# Altium PCB CarrierMotherboard.PcbDoc (part 4 of 6)
Units mm, origin at the board's own origin, x right, y up, seen from the top; angles counter-clockwise.
Board outline 152.4 x 101.6 mm, 8 copper layers (L1-CU, GND, L3-CU-PWR, L4-CU, L5-CU-GND, L6-CU, L7-CU-GND, L8-CU), stack 1.524 mm thick; 270 components, 270 nets, 1285 pads, 799 vias.
Unrouted connection lines stored in the file: 236.
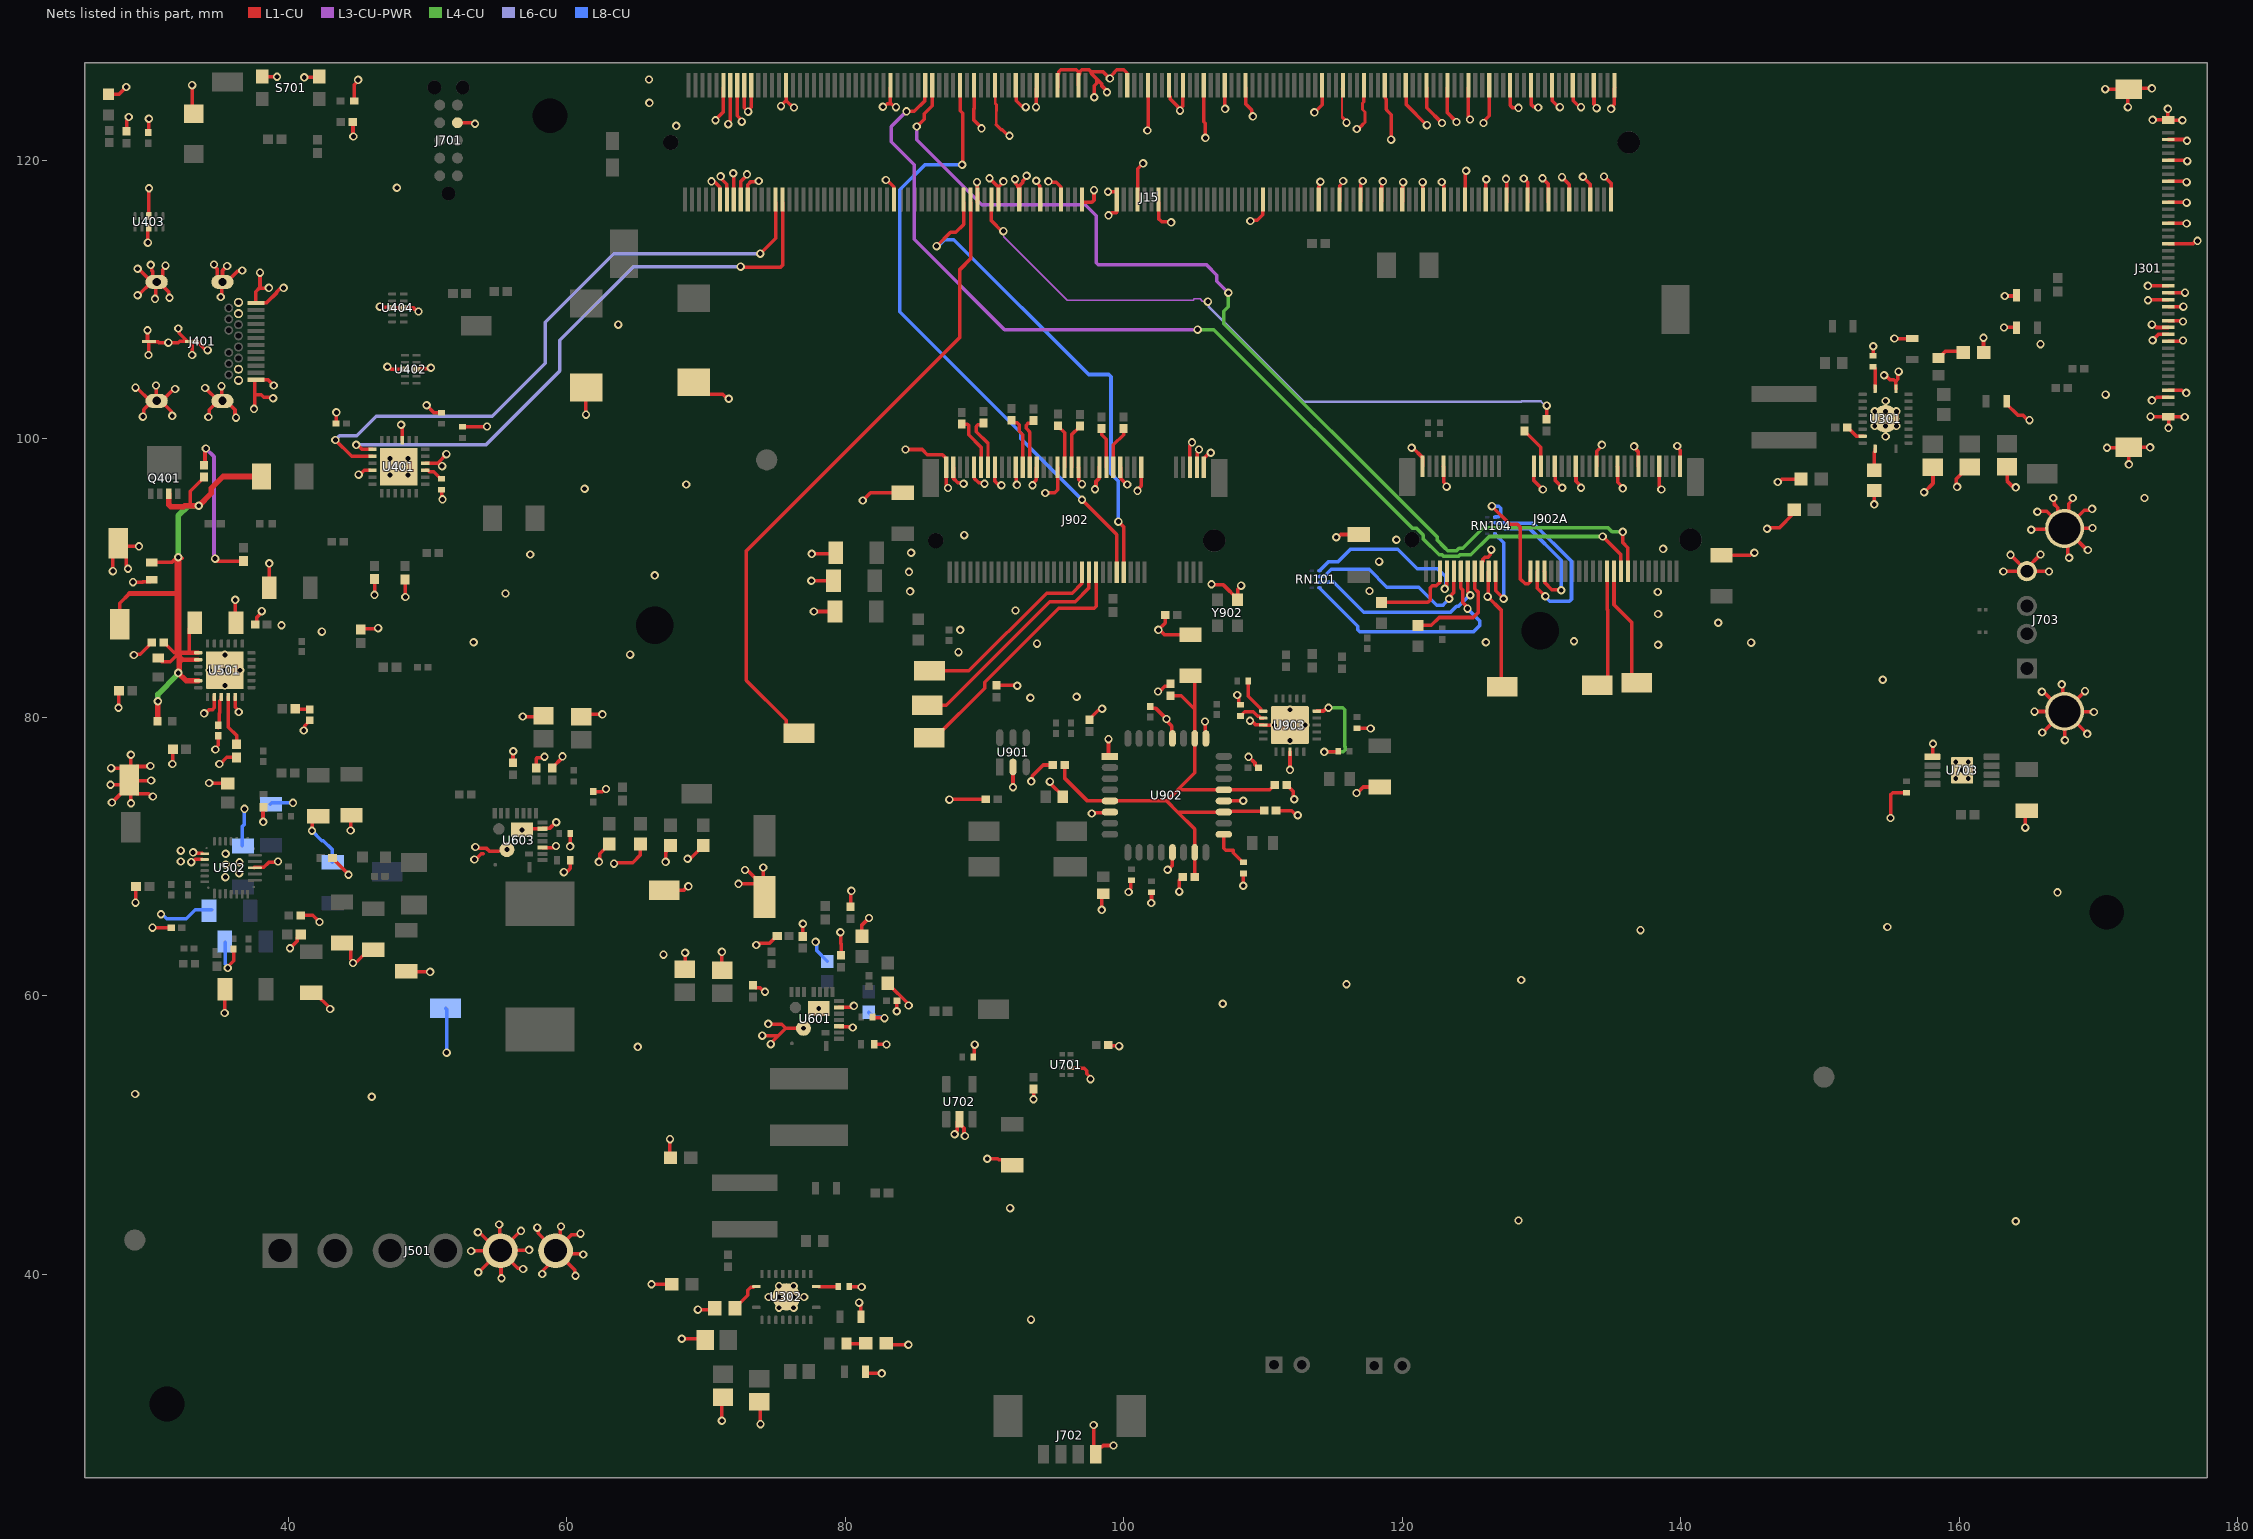
[diagram p10: the nets of this part, all layers, seen from the top]

## Via types
v1: diameter 0.6, hole 0.35, L1-CU to L8-CU, 799 vias

## Nets (pads, with @x,y where several pads share a name; then routed paths per layer and width w, separated by ;. In a path a pad name is that pad's centre, name@x,y a point inside that pad or via, vN(x,y) a via of type N, cw(c..) or ccw(c..) an arc to the next point about the centre after c; other vN are vias at no path point) (continued)
GND: C1.2 C2.2 C101.1 C104.2 C105.2 C114.2 C115.2 C116.2 C117.2 C301.2 C302.2 C304.2 C305.1 C306.2 C307.2 C308.2 C309.2 C310.2 C311.2 C313.2 C314.1 C315.2 C316.2 C317.2 C318.2 C401.2 C402.2 C403.2 C405.2 C406.2 C501.2 C502.2 C503.2 C504.2 C505.2 C506.1 C507.2 C508.1 C509.2 C510.2 C513.1 C514.2 C515.2 C516.2 C517.2 C518.2 C519.2 C520.2 C521.2 C522.2 C523.2 C524.2 C525.2 C601.2 C602.2 C603.2 C604.2 C605.2 C606.2 C608.2 C609.2 C610.2 C611.2 C616.2 C618.2 C619.2 C620.2 C621.2 C626.2 C628.2 C630.2 C632.2 C633.1 C703.2 C706.1 C707.1 C708.2 C709.2 C710.2 C711.2 C901.2 C902.2 C903.2 C904.2 C905.2 C906.2 C907.2 C908.2 C909.2 C910.2 C913.1 C914.1@95.615,74.286 C915.2 C916.2 C918.2 C919.2 C920.2 D401.2 D402.2 D403.1 D701.2 J15.1 J15.2 J15.7 J15.8 J15.13 J15.14 J15.19 J15.20 J15.25 J15.26 J15.31 J15.32 J15.37 J15.38 J15.43 J15.44 J15.49 J15.50 J15.55 J15.56 J15.61 J15.62 J15.67 J15.68 J15.73 J15.74 J15.79 J15.80 J15.85 J15.86 J15.102 J15.107 J15.113 J15.119 J15.125 J15.129 J15.132 J15.135 J15.138 J15.141 J15.144 J15.146 J15.147 J15.152 J15.153 J15.158 J15.159 J15.164 J15.165 J15.170 J15.171 J15.176 J15.177 J15.200 J15.201 J15.231 J15.241 J15.242 J15.243 J15.244 J15.245 J15.246 J15.247 J15.248 J15.249 J15.250 J301.2 J301.5 J301.8 J301.11 J301.14 J301.17 J301.23 J301.24 J301.25 J301.26 J301.28 J301.29 J301.30 J301.31 J301.38 J301.39 J301.S1 J301.S2 J301.S3 J301.S4 J401.A1 J401.A12 J401.B1 J401.B12 J401.Shell J501.5 J501.6 J701.4 J702.1 J703.4 J703.5 J703.6 J902.1 J902.3 J902.9 J902.15 J902.21 J902.27 J902.33 J902.39 J902.45 J902.51 J902.57 J902.71 J902.73 J902.75 J902A.1 J902A.7 J902A.18 J902A.33 J902A.39 J902A.45 J902A.51 J902A.57 J902A.63 J902A.69 J902A.75 R304.1 R306.2 R313.1 R314.1 R316.2 R318.2 R401.1 R404.2 R407.2 R501.1 R502.1 R511.1 R512.2 R515.2 R522.2 R523.2 R602.1 R603.1 R604.1 R607.1 R608.1 R610.1 R618.1 R904.1 R905.1 S701.3 S701.4 TP9.TP9 TP501.1 TP503.1 TP505.1 U301.20 U301.21 U302.21 U401.3 U401.10 U401.22 U401.25 U402.3 U402.8 U403.3 U403.8 U404.3 U404.8 U501.8 U501.11 U501.25 U502.10 U502.11 U502.27 U601.3-4-27 U601.13 U601.16 U601.25 U603.3-4-27 U603.13 U603.16 U603.25 U701.2 U702.2 U703.1 U703.9 U901.2 U902.1 U902.6 U902.13 U902.20 U902.25 U902.28 U903.3 U903.8 U903.21 Y902.2 | length 626.1
  L1-CU w0.15: J15.79@115.675,125.125 115.675,123.106 115.721,123.06
  L1-CU w0.2: J15.171@90.773,125.177 90.773,124.076 90.854,123.995 90.854,123.554 90.853,123.553 90.853,122.558 ; J15.79@115.675,125.125 J15.79@115.75,125.2 ; 117.169,122.579 117.323,122.733 117.323,123.479 117.146,123.655 117.146,124.096 117.25,124.2
  L1-CU w0.254: D403.1@27.1,124.75 27.849,124.75 v1(28.372,125.273) ; v1(27.233,75.159) 28.212,75.159 TP503.1@28.553,75.5 ; v1(27.284,76.352) 27.98,76.352 TP503.1@28.553,75.779 ; v1(27.334,73.889) 27.342,73.889 TP503.1@28.553,75.1 ; v1(27.407,90.5) 27.407,92.107 TP501.1@27.8,92.5 ; v1(27.813,80.696) 27.828,80.711 27.828,81.885 R501.1@27.843,81.9 ; C405.2@28.389,122.092 28.389,122.859 28.55,123.02 v1(28.55,123.114) ; v1(28.499,90.678) 28.499,90.772 28.373,90.897 28.373,91.927 TP501.1@27.8,92.5 ; TP503.1@28.702,75.779 v1(28.702,77.318) ; v1(28.706,73.838) 28.706,74.947 29.126,74.527 29.981,74.527 30.187,74.32 v1(30.281,74.32) ; v1(28.854,89.713) 29.535,89.713 29.55,89.727 30.052,89.727 D401.2@30.2,89.875 ; v1(28.914,84.48) 28.98,84.547 29.377,84.547 30.192,85.361 C502.2@30.213,85.361 ; v1(29.032,103.683) 29.126,103.683 30.079,102.73 J401.Shell@30.55,102.73 ; v1@29.036,66.701 R515.2@29.036,67.859 ; v1(29.185,110.312) 29.238,110.312 30.196,111.27 J401.Shell@30.55,111.27 ; v1(29.185,112.217) 29.244,112.217 30.157,111.304 J401.Shell@30.157,111.27 ; v1(29.286,92.278) 28.022,92.278 TP501.1@27.8,92.5 ; v1(29.566,101.6) 29.627,101.661 29.627,102.107 30.25,102.73 J401.Shell@30.55,102.73 ; v1(29.896,107.798) 29.896,107.027 29.923,107 J401.Shell@30,107 30.027,106.973 30.649,106.973 30.713,106.909 v1(31.394,106.909) 32.108,106.909 32.2,107 32.754,107 32.172,107.582 32.172,107.858 v1(32.106,107.925) ; v1(29.921,114.097) 29.921,114.778 29.927,114.784 29.927,115.092 U403.8@30,115.165 ; C406.2@29.95,121.992 29.974,122.016 29.974,122.963 v1(29.997,122.987) ; v1(29.972,106.02) 29.972,106.973 J401.Shell@30,107 ; U403.3@30,116 v1(30,118) ; v1(30.103,76.505) 30.071,76.473 29.126,76.473 28.553,75.9 TP503.1@28.553,75.5 ; v1@30.15,112.497 30.187,112.46 30.187,112.104 30.289,112.002 30.289,111.531 J401.Shell@30.55,111.27 ; v1(30.154,75.463) 28.59,75.463 TP503.1@28.553,75.5 ; v1(30.253,64.9) R522.2@31.553,64.9 ; v1(30.429,110.058) 30.49,110.119 30.49,111.21 J401.Shell@30.55,111.27 ; v1(30.505,103.835) 30.528,103.813 30.528,102.752 J401.Shell@30.55,102.73 ; J401.Shell@30.645,111.27 30.99,111.615 30.99,112.151 31.191,112.352 v1(31.191,112.446) ; J401.Shell@30.713,111.27 31.404,110.578 31.404,110.201 v1(31.471,110.134) ; J401.Shell@30.85,102.73 31.608,101.972 31.608,101.717 v1(31.674,101.651) ; J401.Shell@30.938,102.73 31.789,103.581 v1(31.877,103.581) ; v1@31.674,76.661 v1(31.678,76.657) ; R502.1@31.717,77.71 31.721,77.706 v1@31.721,76.661 ; v1(33.034,69.608) 33.128,69.608 33.32,69.8 U502.11@33.827,69.8 ; v1(33.096,106.02) 33.096,106.996 J401.Shell@33.1,107 33.446,107 34.005,106.441 34.148,106.441 v1(34.214,106.375) ; v1(33.1,125.4) 33.1,123.45 D402.2@33.2,123.35 ; v1(33.169,70.308) 33.263,70.308 33.344,70.227 U502.10@33.827,70.227 ; v1(33.96,80.289) 34.053,80.289 34.299,80.535 34.543,80.535 34.7,80.692 U501.8@34.7,81.475 ; v1(34.036,103.657) 34.044,103.657 34.972,102.73 J401.Shell@35.28,102.73 ; v1(34.265,101.575) 34.331,101.641 34.331,102.081 34.98,102.73 J401.Shell@35.28,102.73 ; v1(34.319,75.286) 35.579,75.286 C508.1@35.615,75.249 ; v1(34.671,112.522) 34.671,112.428 34.896,112.203 34.896,111.615 35.241,111.27 J401.Shell@35.28,111.27 ; v1(34.773,77.699) 34.773,77.792 34.975,77.995 C504.2@34.975,78.677 ; v1(35.056,76.657) v1@35.079,76.657 ; v1@35.126,76.657 35.594,77.125 R511.1@36.3,77.125 ; v1(35.154,110.185) 35.217,110.248 35.217,111.207 J401.Shell@35.28,111.27 ; v1(35.204,103.784) 35.242,103.747 35.242,102.768 J401.Shell@35.28,102.73 ; J401.Shell@35.394,102.73 35.533,102.73 36.18,102.084 36.18,101.59 v1(36.246,101.524) ; C516.2@35.41,60.477 35.437,60.45 v1(35.437,58.768) ; v1(35.611,112.42) 35.28,112.09 J401.Shell@35.28,111.27 ; v1(35.662,62.001) 35.662,62.095 36.094,62.528 36.094,63.28 R523.2@36.021,63.354 ; v1(36.195,88.441) 36.195,86.843 C501.2@36.248,86.79 ; U501.11@36.2,81.475 36.2,80.734 36.449,80.485 v1(36.449,80.391) ; v1(36.703,112.09) 36.637,112.024 36.334,112.024 35.58,111.27 J401.Shell@35.28,111.27 ; v1(37.541,102.159) 37.592,102.21 37.592,103.168 ; U502.27@37.553,69.2 37.58,69.227 38.25,69.227 38.604,69.581 39.204,69.581 v1(39.271,69.647) ; C503.2@37.642,86.665 37.737,86.76 37.737,87.173 38.1,87.536 v1(38.1,87.63) ; J401.A12@37.68,104.25 37.615,104.25 37.592,104.227 37.592,103.168 ; 37.927,110.825 38.587,110.825 v1(38.608,110.846) ; v1(37.973,111.938) 37.973,110.871 37.68,110.578 J401.A1@37.68,109.75 37.697,109.767 38.444,109.767 39.192,110.515 39.192,110.576 39.396,110.779 39.609,110.779 v1(39.675,110.846) ; J401.A12@38.13,104.25 38.549,104.25 v1(38.964,103.835) ; S701.4@38.133,126.022 38.145,126.009 v1(39.192,126.009) ; C510.2@38.167,73.553 38.189,73.53 38.189,72.52 v1(38.212,72.498) ; C505.2@38.632,89.306 38.638,89.313 v1(38.638,91.058) ; v1(38.913,102.921) 38.847,102.987 38.245,102.987 38.064,103.168 37.592,103.168 ; v1(40.132,63.424) 40.648,63.94 40.648,64.194 C513.1@40.854,64.4 ; C515.2@40.844,65.786 40.847,65.789 41.77,65.789 v1(42.249,65.31) ; v1(41.113,79.055) 41.179,79.122 41.179,79.393 41.554,79.769 C506.1@41.554,79.789 ; v1(41.148,125.959) 42.169,125.959 S701.3@42.233,126.022 ; C517.2@41.606,60.225 41.881,60.225 43.006,59.1 v1(43.006,59.055) ; v1(41.711,71.857) 41.711,72.496 42.109,72.894 C507.2@42.117,72.894 ; C514.2@43.133,69.901 43.155,69.901 44.327,68.728 v1(44.327,68.695) ; R401.1@43.425,101.1 43.442,101.117 43.442,101.888 v1(43.459,101.905) ; C518.2@43.811,63.796 44.086,63.796 44.484,63.398 44.484,62.624 44.657,62.451 v1(44.657,62.357) 44.723,62.423 44.884,62.423 45.779,63.319 C520.2@46.054,63.319 ; v1(44.479,71.88) 44.479,72.945 C509.2@44.505,72.971 ; C703.2@44.527,122.889 44.651,122.765 44.651,121.744 v1(44.679,121.717) ; D701.2@44.755,124.257 44.755,125.425 45.017,125.687 v1(45.017,125.781) ; v1(45.06,97.434) 45.153,97.434 45.467,97.748 U401.10@45.877,97.748 ; R512.2@45.2,86.3 45.255,86.355 46.401,86.355 v1(46.457,86.411) ; v1(46.2,88.8) R404.2@46.2,89.921 ; v1(46.584,109.499) 46.633,109.45 47.415,109.45 U404.3@47.465,109.4 U404.8@48.3,109.4 49.002,109.4 49.259,109.144 v1(49.352,109.144) ; v1(47.117,105.181) 47.211,105.181 47.392,105 U402.3@48.382,105 ; v1(48.108,101.016) 48.108,100.922 48.2,100.83 U401.3@48.2,99.9 ; R407.2@48.385,89.911 48.399,89.897 48.399,88.66 v1(48.412,88.646) ; C522.2@48.432,61.772 48.482,61.722 v1(50.194,61.722) ; U402.8@49.217,105 49.27,105.053 50.189,105.053 v1(50.241,105.105) ; U401.22@49.85,98.25 50.729,98.25 ; v1(49.936,102.413) 50.469,101.88 C401.2@51,101.88 ; C402.2@51,96.337 51.04,96.297 51.04,95.696 v1(51.079,95.656) ; v1(51.054,98.044) 50.96,98.044 50.754,98.25 50.729,98.25 ; v1(51.359,98.908) 51.359,98.88 50.729,98.25 ; J701.4@52.149,122.702 53.345,122.702 v1(53.416,122.631) ; C403.2@52.502,100.863 54.254,100.863 v1(54.28,100.889) ; v1(53.137,41.681) 53.146,41.691 54.371,41.691 54.81,42.13 54.611,42.13 53.713,43.028 v1(53.619,43.028) ; v1(53.365,69.799) 53.459,69.799 53.86,70.2 54.013,70.2 ; v1(53.442,70.688) 53.542,70.588 54.24,70.588 54.428,70.4 55.1,70.4 ; v1(53.645,40.157) 53.671,40.157 J501.5@54.987,41.473 ; J501.5@55.032,41.492 55.281,41.243 55.281,39.766 v1(55.321,39.726) ; v1(55.143,43.586) 55.192,43.538 J501.5@55.192,42.345 ; J501.5@55.24,41.7 56.488,40.452 56.804,40.452 v1(56.871,40.386) ; J501.5@55.693,41.729 57.274,41.729 v1(57.302,41.758) ; J501.5@55.693,41.844 55.693,42.128 56.694,43.129 v1(56.718,43.129) ; C610.2@56.126,76.743 56.143,76.759 56.143,77.555 v1(56.159,77.572) ; v1(56.8,71.925) 56.875,72 U603.16@58.25,72 58.273,72.023 58.764,72.023 59.207,72.466 v1(59.251,72.466) ; v1(56.845,80.061) 58.288,80.061 C608.2@58.328,80.101 ; R607.1@57.8,76.35 57.8,77.042 57.865,77.107 58.343,77.107 v1(58.409,77.173) ; v1(57.887,43.358) 57.953,43.292 57.953,42.947 J501.6@59.2,41.7 59.2,41.177 58.308,40.285 58.308,40.097 v1(58.242,40.03) ; U603.13@58.25,70.65 59.025,70.65 59.139,70.764 v1(59.233,70.764) ; R608.1@58.954,76.35 58.954,76.375 59.7,77.121 v1(59.7,77.2) v1@59.787,77.113 ; v1(59.588,43.434) 59.522,43.368 59.522,42.022 60.36,42.86 60.919,42.86 v1(60.985,42.926) ; v1(59.792,68.885) 59.858,68.951 60.059,68.951 60.259,69.151 C620.2@60.259,69.748 ; v1(60.245,70.735) 60.256,70.746 60.256,71.612 C611.2@60.266,71.623 ; C611.2@60.266,71.673 C611.2@60.266,71.723 ; v1(60.63,39.903) 60.564,39.97 60.564,40.336 59.406,41.494 61.122,41.494 v1(61.189,41.427) ; C609.2@61.039,80.042 61.21,80.213 v1(62.56,80.213) ; v1(61.38,101.746) 61.38,103.684 C2.2@61.392,103.695 ; R618.1@61.9,74.675 62.548,74.675 62.731,74.857 v1(62.824,74.857) ; v1(62.306,69.621) 62.372,69.688 62.372,70.206 63.056,70.89 C626.2@63.056,70.913 ; v1(63.398,69.494) 63.465,69.561 64.735,69.561 65.292,70.118 C628.2@65.292,70.913 ; v1(66.091,39.294) C311.2@67.548,39.294 ; TP9.TP9@67,67.6 68.424,67.6 68.693,67.869 v1(68.732,67.869) ; v1(67.107,69.621) 67.107,70.296 67.129,70.318 67.129,70.445 C630.2@67.458,70.774 ; C310.2@67.311,48.234 C310.2@67.448,48.37 67.413,48.405 v1(67.413,49.716) ; v1(68.263,35.382) 69.837,35.382 C315.2@69.939,35.281 ; C601.2@68.469,61.901 68.504,61.936 v1(68.504,63.094) ; v1(68.682,69.85) 68.748,69.916 68.939,69.916 69.8,70.777 C632.2@69.8,70.8 ; C1.2@69.113,104.076 69.981,103.208 71.217,103.208 71.547,102.879 v1(71.64,102.879) ; v1(69.418,37.466) 70.527,37.466 C314.1@70.627,37.566 ; v1(70.399,118.493) 70.465,118.427 70.65,118.427 70.977,118.099 J15.250@70.977,117.023 ; v1(70.688,122.885) 70.688,122.912 71.25,123.474 J15.249@71.25,125.2 ; v1(71.05,118.85) 71.05,118.726 71.5,118.276 J15.248@71.5,117 ; v1(71.141,63.164) 71.141,61.877 C602.2@71.179,61.839 ; v1(71.145,29.489) 71.145,31.089 C316.2@71.222,31.165 ; v1(71.603,122.606) 71.603,122.699 71.75,122.847 J15.247@71.75,125.2 ; v1(71.958,119.075) 71.979,119.054 71.979,117.021 J15.246@72,117 ; J15.245@72.25,125.2 72.25,123.195 72.568,122.877 v1(72.568,122.784) ; v1(72.339,68.047) 73.527,68.047 74.2,67.374 74.2,67.8 73.029,68.971 72.872,68.971 v1(72.806,69.038) ; J15.244@72.5,117 72.5,118.485 72.949,118.934 v1(72.949,118.999) ; J15.243@72.75,125.2 72.75,123.775 v1(73.025,123.5) 73.134,123.609 73.134,123.69 73.25,123.806 J15.241@73.25,125.2 ; J15.242@73,117 73,118.256 73.194,118.45 73.728,118.45 v1(73.794,118.516) ; C603.2@73.447,60.702 73.447,60.691 73.54,60.598 73.852,60.598 74.151,60.3 v1(74.244,60.3) ; v1(73.609,63.652) 73.703,63.652 73.818,63.768 74.563,63.768 75.095,64.3 R603.1@75.12,64.3 ; C317.2@73.835,30.856 73.911,30.78 v1(73.911,29.244) ; v1(74.041,57.15) 75.199,57.15 75.26,57.21 ; v1(74.117,69.215) 74.117,67.183 C633.1@74.2,67.1 ; v1(74.473,57.988) 74.498,57.963 75.433,57.963 75.722,57.673 ; v1(74.651,56.532) 74.797,56.679 74.797,56.748 75.26,57.21 ; v1(75.387,123.895) v1@75.413,123.92 ; v1@75.467,124.028 75.727,124.289 ; J15.231@75.75,125.2 75.773,125.177 75.773,124.289 76.262,123.8 v1(76.327,123.8) ; R604.1@76.941,64.275 76.952,64.285 76.952,65.166 v1(76.962,65.176) ; v1(77,57.673) 75.722,57.673 ; v1(77.572,89.814) 79.153,89.814 C114.2@79.16,89.821 ; v1(77.597,91.745) 79.244,91.745 C116.2@79.321,91.821 ; v1(77.749,87.605) C115.2@79.27,87.605 ; U601.13@79.55,57.823 79.573,57.8 80.478,57.8 v1(80.543,57.734) ; U601.16@79.55,59.173 80.415,59.173 80.526,59.284 v1(80.62,59.284) ; v1(79.654,64.567) 79.683,64.538 79.683,63.759 79.705,63.737 C604.2@79.705,62.916 ; C313.2@80.297,39.124 80.314,39.107 81.162,39.107 v1(81.178,39.091) ; R602.1@80.376,66.405 80.409,66.438 80.409,67.506 v1(80.442,67.539) ; v1(81.001,37.973) 81.001,37.879 81.119,37.761 R316.2@81.119,36.958 ; C621.2@81.204,64.278 81.204,65.091 v1(81.712,65.599) ; v1(81.255,95.58) 81.817,96.143 C117.2@84.125,96.143 ; R318.2@81.446,32.995 81.547,32.893 v1(82.626,32.893) ; C606.2@81.959,58.471 81.995,58.435 82.783,58.435 v1(82.819,58.399) ; C605.2@82.085,56.515 82.088,56.512 82.966,56.512 v1(82.968,56.51) ; v1(82.702,123.85) 82.796,123.85 83.014,124.068 83.25,124.068 ; v1(82.919,118.593) 82.984,118.593 83.477,118.099 83.477,117.023 J15.200@83.5,117 ; C318.2@82.937,35.052 83.038,34.95 v1(84.531,34.95) ; C618.2@83.056,60.913 83.056,60.89 84.557,59.389 v1(84.557,59.309) ; 83.236,124.449 83.236,125.186 J15.201@83.25,125.2 ; 83.25,124.356 83.25,124.068 ; v1(83.642,123.825) 83.549,123.825 83.306,124.068 83.25,124.068 ; v1(83.7,58.9) 83.702,58.902 83.702,59.656 R610.1@83.704,59.658 ; v1(84.328,99.238) 85.531,99.238 85.901,98.868 86.981,98.868 87.253,98.596 87.253,96.686 87.376,96.563 v1(87.376,96.469) ; v1(87.478,74.092) 87.493,74.107 90.083,74.107 C908.2@90.099,74.122 ; J902.3@87.753,97.971 87.776,97.948 87.776,97.16 88.091,96.844 88.436,96.844 v1(88.503,96.778) ; v1(87.859,50.063) 87.859,50.157 88.032,50.33 88.032,50.977 88.058,50.977 88.529,50.506 88.529,50.003 v1(88.595,49.936) ; C709.2@89.2,55.6 89.25,55.65 89.25,56.45 v1(89.3,56.5) ; J15.177@89.25,125.2 89.25,123.702 89.216,123.668 89.216,122.918 89.789,122.345 v1(89.789,122.301) ; J902.9@89.253,97.971 89.276,97.948 89.276,97.16 89.591,96.844 89.936,96.844 v1(90.003,96.778) ; v1(89.459,118.44) 89.479,118.42 89.479,117.748 89.5,117.727 J15.176@89.5,117 ; v1(90.2,48.3) 90.937,48.3 91.014,48.223 91.602,48.223 C708.2@92,47.825 ; v1(90.357,118.72) 90.977,118.099 90.977,117.069 J15.170@91.023,117.023 ; J15.171@90.75,125.2 J15.171@90.773,125.177 ; J902.15@90.753,97.971 90.753,96.948 90.962,96.739 91.145,96.739 v1(91.211,96.672) ; 90.853,122.558 91.215,122.196 91.274,122.196 91.702,121.768 v1(91.796,121.768) ; C910.2@90.856,82.315 90.878,82.293 92.332,82.293 v1(92.354,82.271) ; 91.023,118.099 91.359,118.435 v1(91.359,118.493) ; v1(92.05,74.981) U901.2@92.05,76.445 ; v1(92.192,118.643) 92.258,118.577 92.258,118.318 92.407,118.169 92.407,118.065 92.477,117.995 92.477,117.936 92.49,117.923 92.523,117.923 J15.164@92.523,117.023 ; J15.165@92.25,125.2 92.273,125.177 92.273,124.289 92.67,123.891 92.898,123.891 v1(92.964,123.825) ; J902.21@92.253,97.971 92.276,97.948 92.276,96.751 v1(92.329,96.698) ; J15.164@92.536,117.936 92.536,118.2 92.749,118.413 92.749,118.523 93.03,118.804 v1(93.03,118.897) ; v1(93.359,75.402) 93.425,75.468 93.425,75.786 94.22,76.581 C903.2@94.894,76.581 ; v1(93.447,96.672) 93.447,96.766 93.73,97.049 93.73,97.948 J902.27@93.753,97.971 ; v1(93.523,52.578) C707.1@93.523,53.315 ; v1(93.705,123.824) 93.727,123.846 93.727,125.177 J15.159@93.75,125.2 ; v1(93.72,118.542) 93.786,118.476 93.786,118.362 93.977,118.172 93.977,117.023 J15.158@94,117 ; v1(94.361,96.114) 94.382,96.134 95.042,96.134 95.253,96.345 J902.33@95.253,97.971 ; v1(94.585,118.493) 94.652,118.427 95.15,118.427 95.477,118.099 95.477,117.023 J15.152@95.5,117 ; v1(94.699,75.387) 94.765,75.321 94.765,75.211 95.615,74.361 C914.1@95.615,74.286 ; J15.153@95.25,125.2 95.25,126.113 95.343,126.206 95.343,126.369 95.494,126.52 96.583,126.52 96.75,126.353 ; U701.2@96.18,54.817 96.195,54.803 97.168,54.803 97.345,54.625 97.345,54.417 97.612,54.15 v1(97.612,54.026) ; J15.147@96.75,125.388 J15.147@96.75,126.136 ; J902.39@96.753,97.971 96.776,97.948 96.776,97.069 97.003,96.842 v1(97.003,96.749) ; J15.147@96.773,126.136 96.843,126.206 96.843,126.369 96.994,126.52 97.506,126.52 97.584,126.443 97.646,126.38 ; J15.146@97,117 97.717,117 97.866,117.149 v1(97.866,117.866) ; C907.2@97.528,79.845 97.528,79.866 98.216,80.554 98.384,80.554 v1(98.45,80.62) ; v1(97.7,73.1) 97.756,73.156 98.964,73.156 U902.6@99.009,73.2 ; v1(97.841,29.185) 97.841,27.231 98.216,27.606 98.421,27.606 98.527,27.711 v1(99.263,27.711) ; v1(97.886,124.536) 97.886,125.355 98.058,125.527 98.058,125.781 ; v1(97.942,96.385) 98.009,96.452 98.009,96.939 98.23,97.16 98.23,97.948 J902.45@98.253,97.971 ; v1(98.425,66.174) 98.425,67.26 C913.1@98.516,67.351 ; v1(98.795,124.892) 98.795,124.985 98.439,125.342 98.439,125.462 97.657,126.244 97.657,126.369 97.646,126.38 ; v1(98.867,117.748) 99.477,117.748 99.5,117.725 99.5,117 99.5,116.275 99.477,116.252 99.107,116.252 v1(98.908,116.053) ; C706.1@98.876,56.464 98.914,56.426 99.632,56.426 v1(99.67,56.388) ; v1(98.908,78.435) 98.908,77.301 U902.1@99.009,77.2 ; J902.51@99.753,97.971 99.776,97.948 99.776,97.16 100.212,96.723 v1(100.254,96.723) ; J15.141@100.25,125.2 100.227,125.223 100.227,126.299 100.006,126.52 99.494,126.52 99.314,126.34 99.314,126.288 99.002,125.976 v1(99.002,125.882) 98.504,126.38 97.646,126.38 ; v1(100.355,67.462) 100.355,67.556 100.513,67.714 100.513,68.251 C904.2@100.556,68.295 ; v1(100.99,96.266) 100.99,96.36 101.253,96.622 J902.57@101.253,97.971 ; J15.138@101,117 101,119.39 v1(101.397,119.786) ; v1(101.702,122.149) 101.75,122.197 J15.135@101.75,125.2 ; R905.1@101.905,80.766 101.905,80.741 102.003,80.643 102.313,80.643 v1(103.073,79.883) 103.073,79.759 103.456,79.377 103.456,78.536 U902.28@103.5,78.491 ; v1(101.981,66.675) 101.994,66.688 101.994,67.429 C915.2@102.006,67.442 ; v1(102.464,81.864) 102.587,81.864 102.951,82.228 103.186,82.228 103.345,82.387 C902.2@103.345,82.409 ; J15.132@102.5,117 102.5,115.813 102.722,115.591 103.357,115.591 v1(103.403,115.545) ; C101.1@102.987,87.35 102.987,86.782 v1(102.489,86.284) 102.583,86.284 102.928,85.938 C901.2@104.797,85.938 ; v1(103.149,69.063) 103.191,69.063 103.5,69.371 U902.13@103.5,70.309 ; J15.129@103.25,125.2 103.273,125.177 103.273,124.64 103.343,124.57 103.343,124.407 103.881,123.869 103.881,123.822 104.038,123.665 v1(104.038,123.571) 104.038,123.695 104.25,123.906 J15.125@104.25,125.2 ; v1(103.988,67.488) 103.988,68.294 104.067,68.374 104.067,68.395 104.227,68.555 C909.2@104.248,68.555 ; J902.71@104.753,97.971 104.753,99.503 104.902,99.652 v1(104.902,99.746) ; J902.73@105.253,97.971 105.276,97.994 105.276,99.01 105.41,99.144 v1(105.41,99.238) ; J15.119@105.75,125.2 105.75,123.998 105.736,123.984 105.736,122.788 105.867,122.657 105.867,121.641 v1@105.842,121.615 ; J902.75@105.753,97.971 105.753,98.596 106.158,99.001 v1(106.248,99.001) ; v1(105.842,79.705) 105.871,79.676 105.871,78.52 U902.25@105.9,78.491 ; v1(106.299,89.56) 106.351,89.509 107.163,89.509 108.176,88.495 Y902.2@108.176,88.445 108.176,89.203 v1(108.433,89.459) ; U902.20@107.191,74 107.199,74.008 108.577,74.008 v1(108.585,74.016) ; J15.113@107.25,125.2 107.265,125.185 107.265,123.713 v1(107.28,123.698) ; v1(108.153,81.61) 108.153,81.503 108.259,81.397 108.259,80.972 108.282,80.949 C918.2@108.332,80.949 ; v1(108.583,67.91) 108.597,67.924 108.597,68.778 C916.2@108.61,68.791 ; J15.107@108.75,125.2 108.773,125.177 108.773,124.046 109.205,123.615 109.205,123.231 v1(109.271,123.165) ; v1(108.966,77.165) 108.985,77.165 109.427,76.723 109.427,76.61 109.645,76.392 R904.1@109.67,76.392 ; v1(109.068,79.756) 109.175,79.756 109.473,79.458 110.006,79.458 U903.3@110.013,79.451 v1(110.838,79.451) ; v1(109.093,115.646) 109.159,115.712 109.601,115.712 109.977,116.089 109.977,116.977 J15.102@110,117 ; C905.2@110.934,73.307 112.07,73.307 112.403,72.974 v1(112.497,72.974) ; C906.2@111.703,75.133 111.724,75.133 112.176,74.681 112.176,74.183 v1(112.243,74.117) ; U903.8@111.938,77.526 111.94,77.524 111.94,76.236 v1(111.943,76.233) ; v1(111.938,80.551) v1(113.038,79.451) ; v1(113.69,123.444) 113.707,123.444 114.25,123.987 J15.85@114.25,125.2 ; J15.86@114.023,117.023 114.023,118.095 114.053,118.125 114.053,118.399 v1(114.119,118.466) ; v1(115.265,92.939) 115.389,92.939 115.585,93.135 C104.2@116.874,93.135 ; J15.80@115.523,117.023 115.523,118.186 115.76,118.423 v1(115.76,118.516) ; 115.721,123.06 116.002,122.779 v1(116.002,122.707) ; v1(116.713,74.574) 116.774,74.574 117.2,75 C920.2@118.381,75 ; v1(116.738,122.25) 116.832,122.25 117.078,122.496 117.086,122.496 117.169,122.579 ; C919.2@116.764,79.229 116.78,79.213 117.713,79.213 v1(117.729,79.197) ; J15.74@117.023,117.023 117.023,118.279 117.167,118.423 v1(117.167,118.516) ; 117.25,124.2 J15.73@117.25,125.2 ; J15.68@118.5,117 118.523,117.023 118.523,118.099 118.546,118.122 118.546,118.425 v1(118.612,118.491) ; J15.67@118.75,125.2 118.773,125.177 118.773,124.452 118.843,124.382 118.843,123.677 118.89,123.63 118.89,123.594 119.202,123.282 v1(119.202,121.488) ; J15.62@120,117 120.023,117.023 120.023,118.397 v1(120.066,118.44) ; J15.61@120.25,125.2 120.273,125.177 120.273,124.024 v1(121.768,122.53) ; v1(120.675,99.365) 120.752,99.365 121.458,98.659 J902A.1@121.458,98.034 ; v1(121.463,118.44) 121.481,118.422 121.481,117.019 J15.56@121.5,117 